# Altium PCB MCU023_MSP-EXP432E401Y.PcbDoc (part 1 of 4)
Units mil, origin at the board's own origin, x right, y up, seen from the top; angles counter-clockwise.
Board outline 2500 x 6850 mil, 4 copper layers (Top Layer, VCC Layer, GND Layer, Bottom Layer), stack 62.434 mil thick; 203 components, 183 nets, 939 pads, 602 vias.
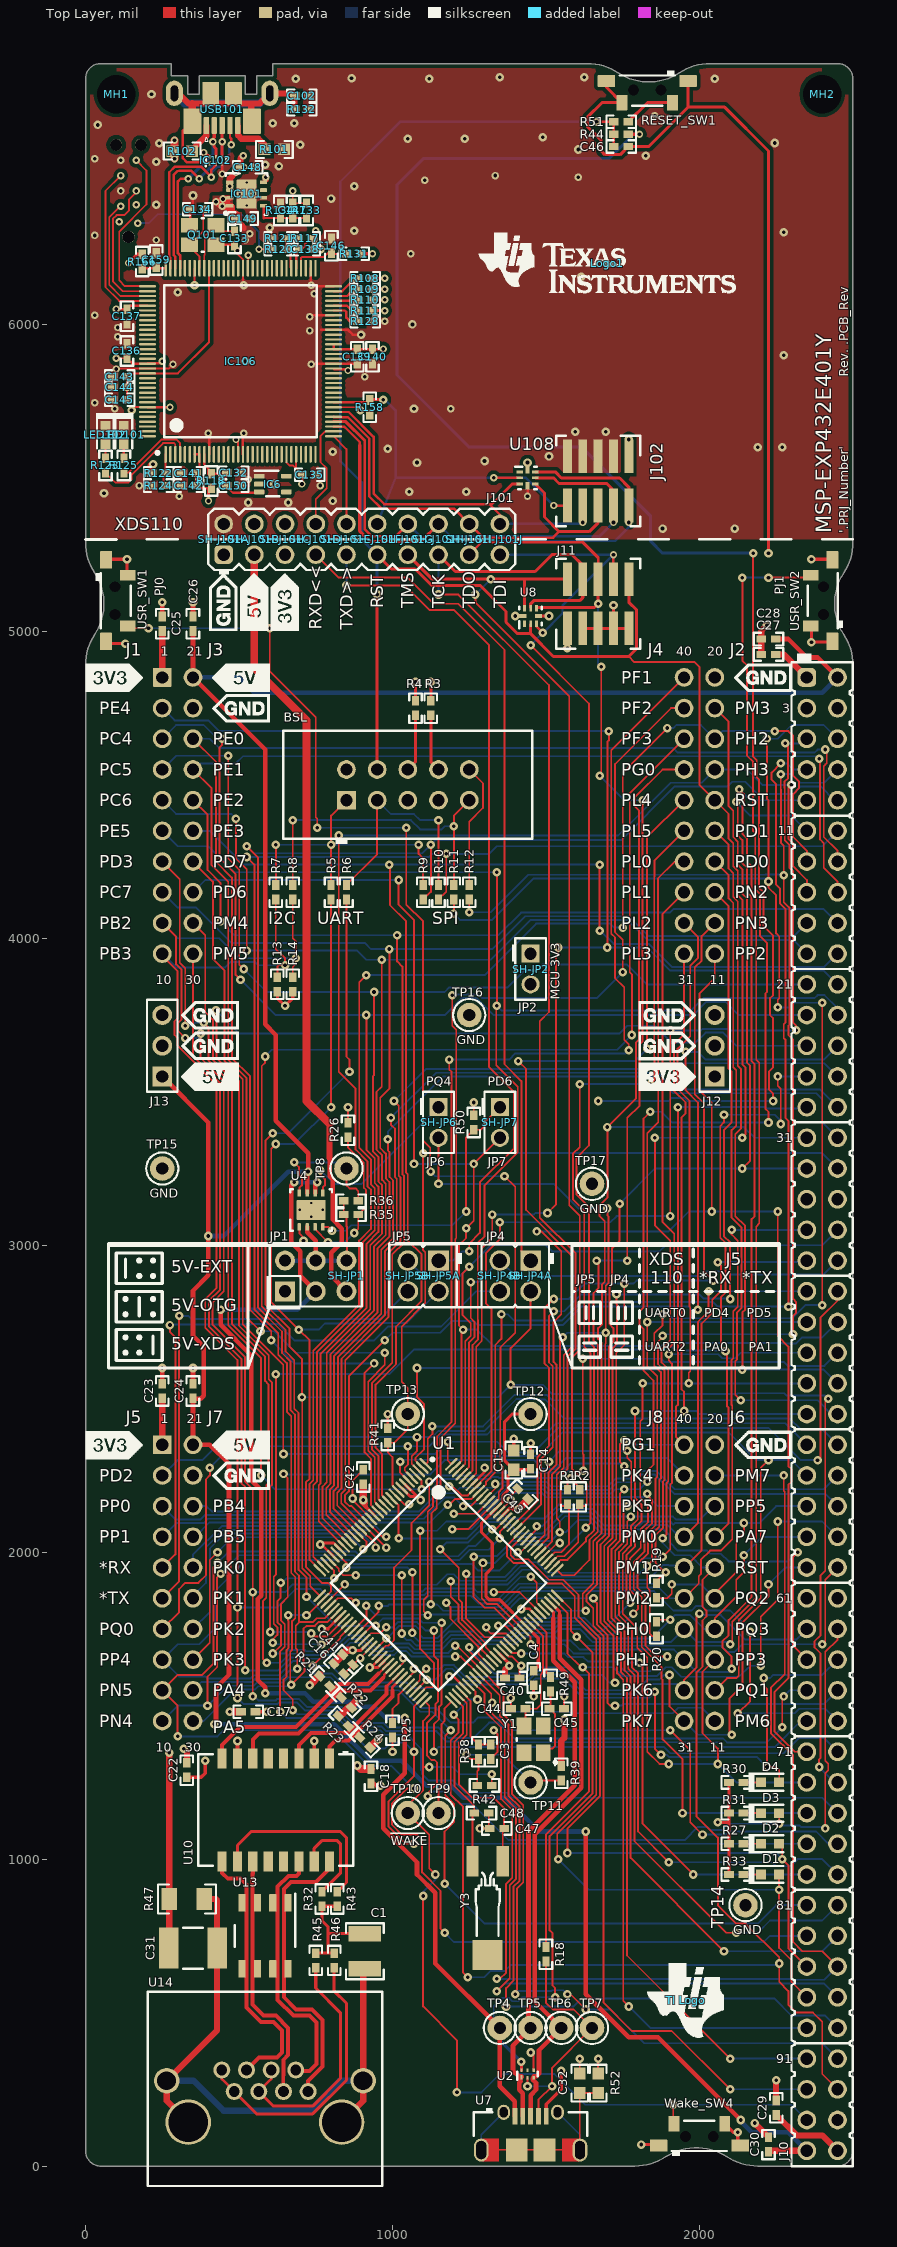
[diagram p0: Top Layer view]
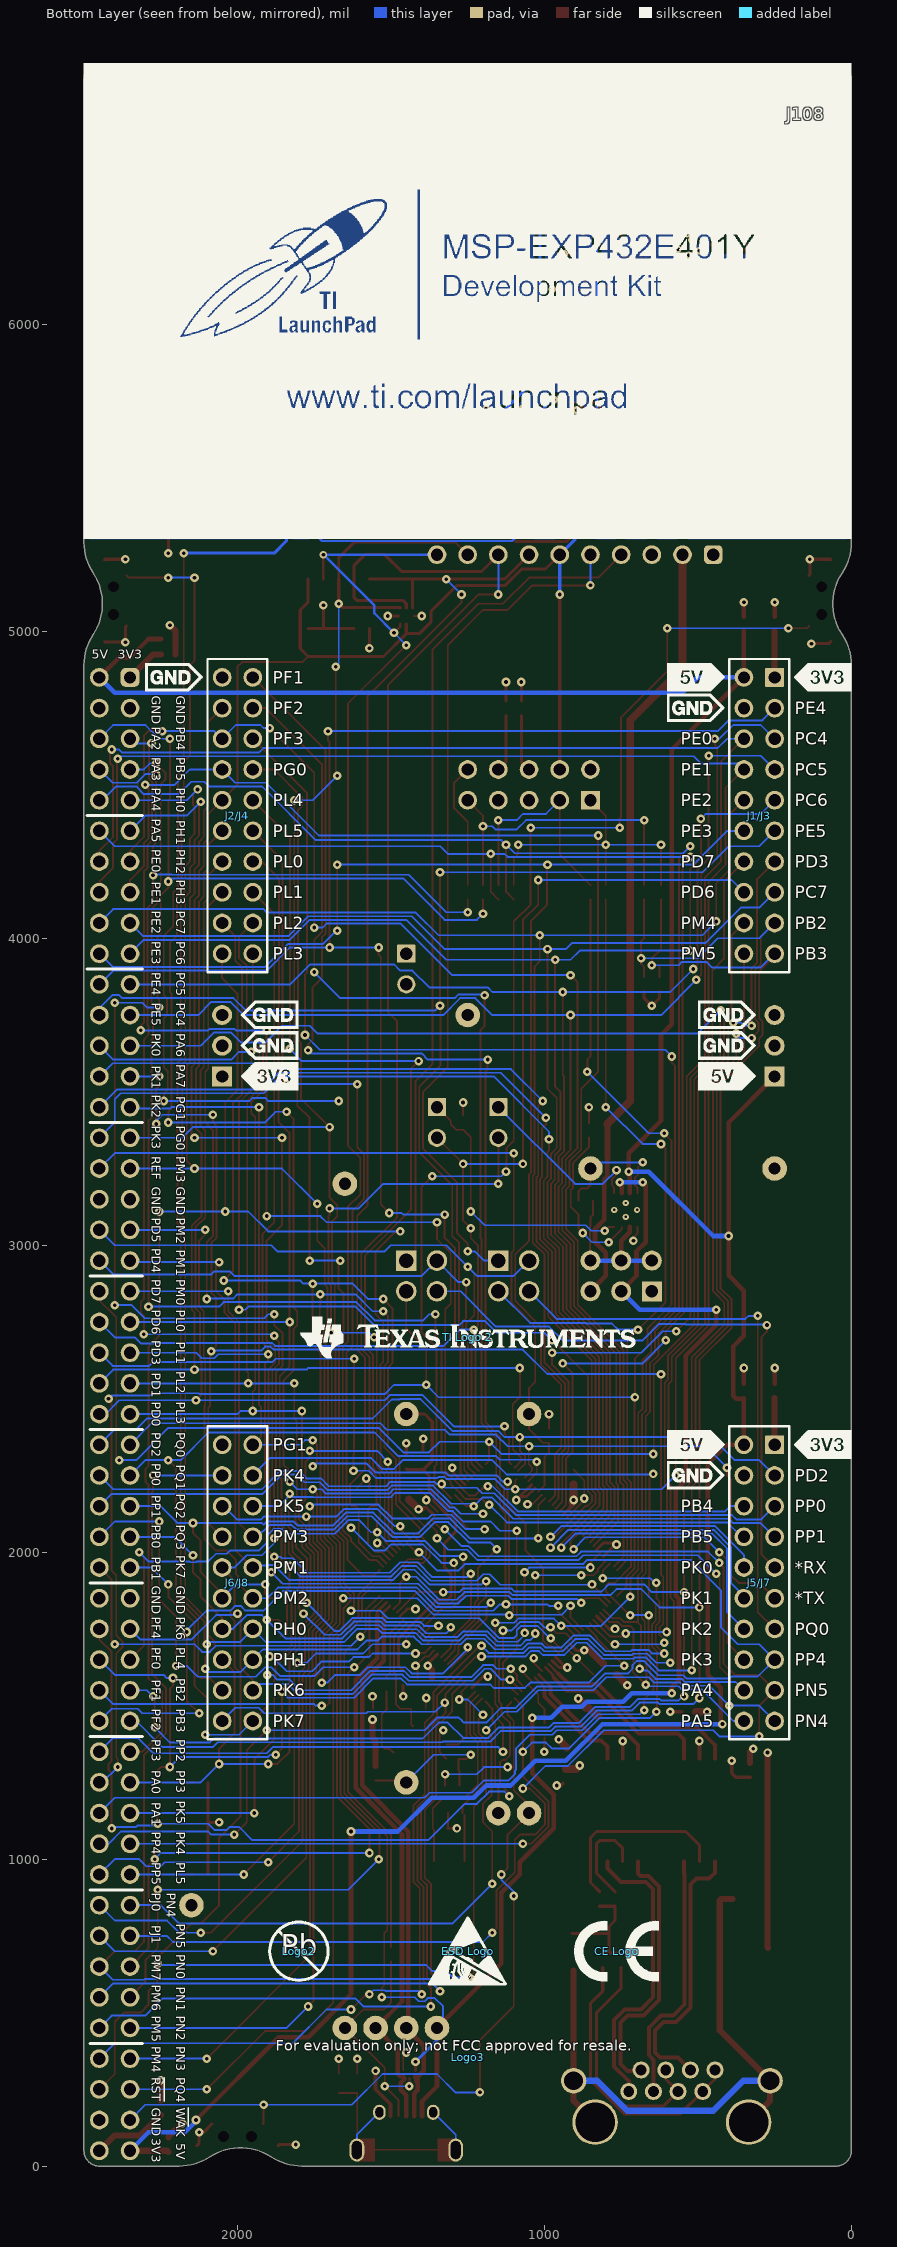
[diagram p1: Bottom Layer view, seen from below]
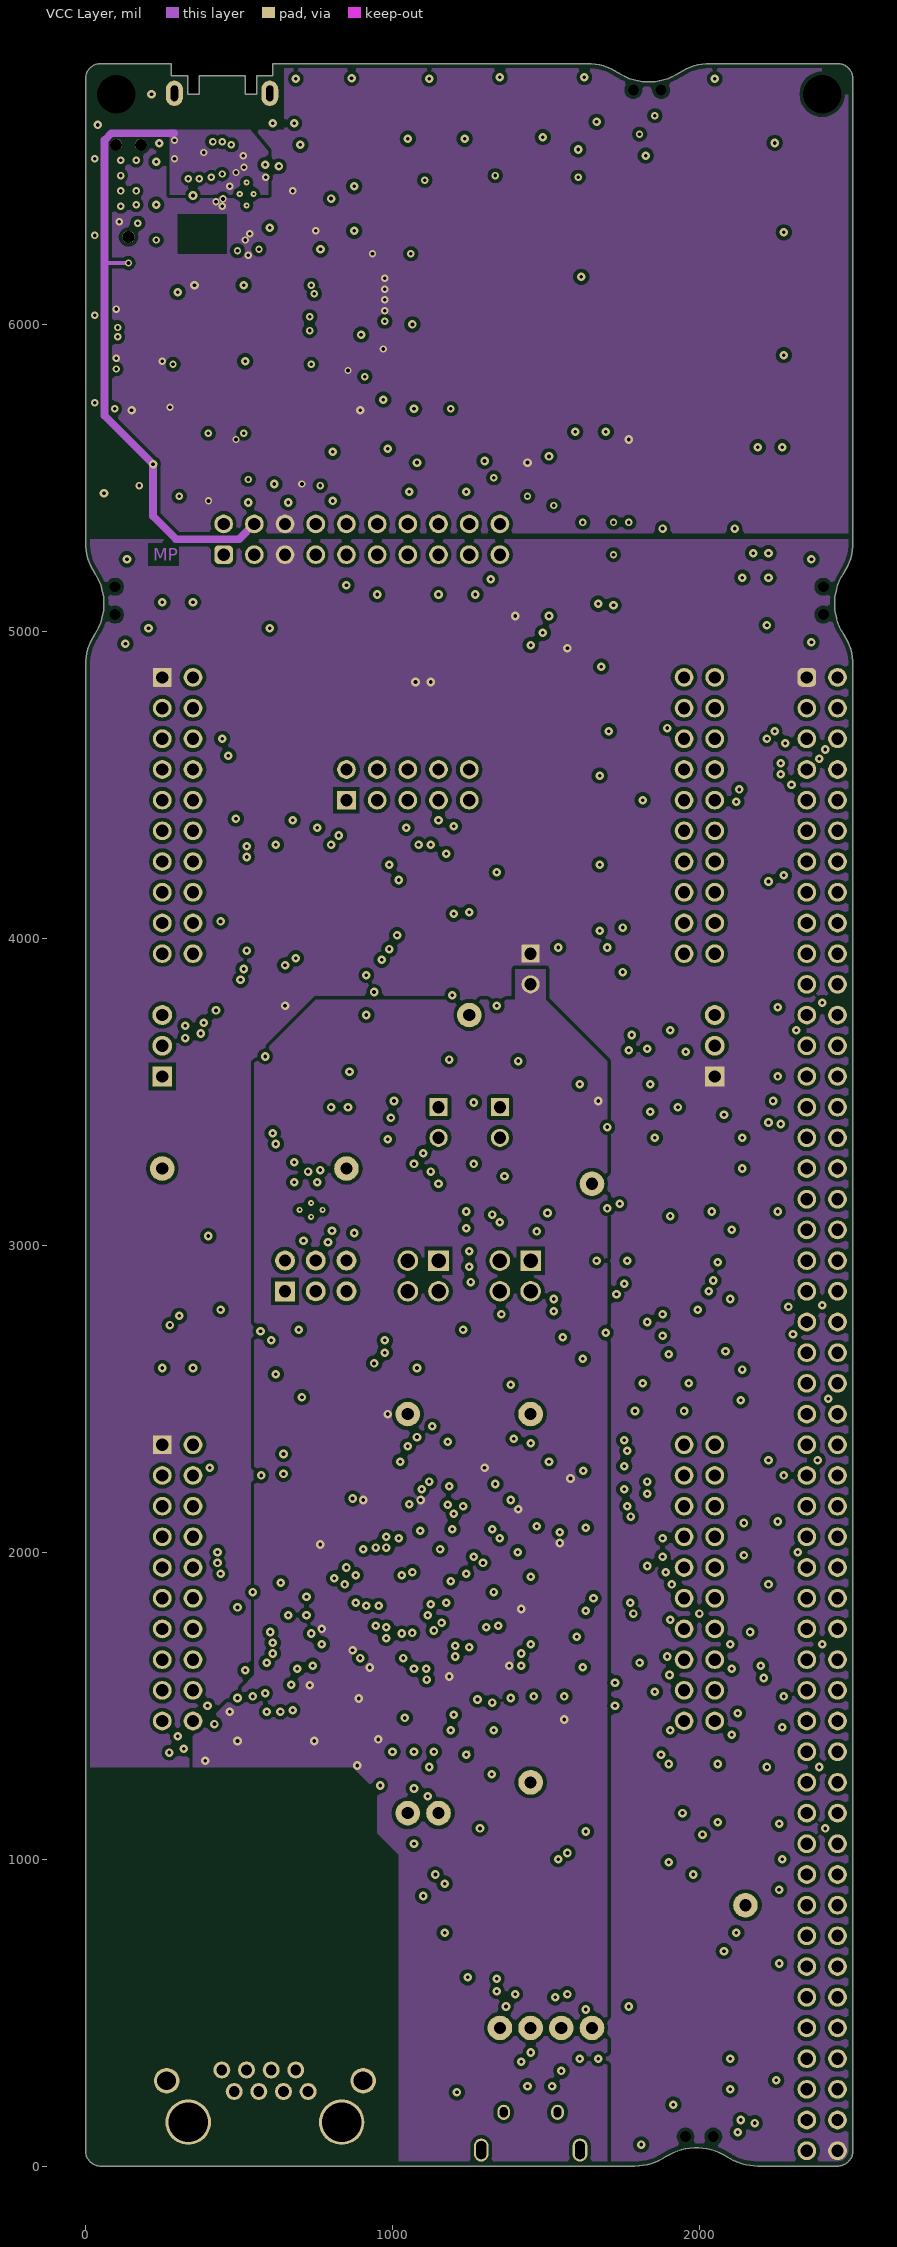
[diagram p2: VCC Layer]
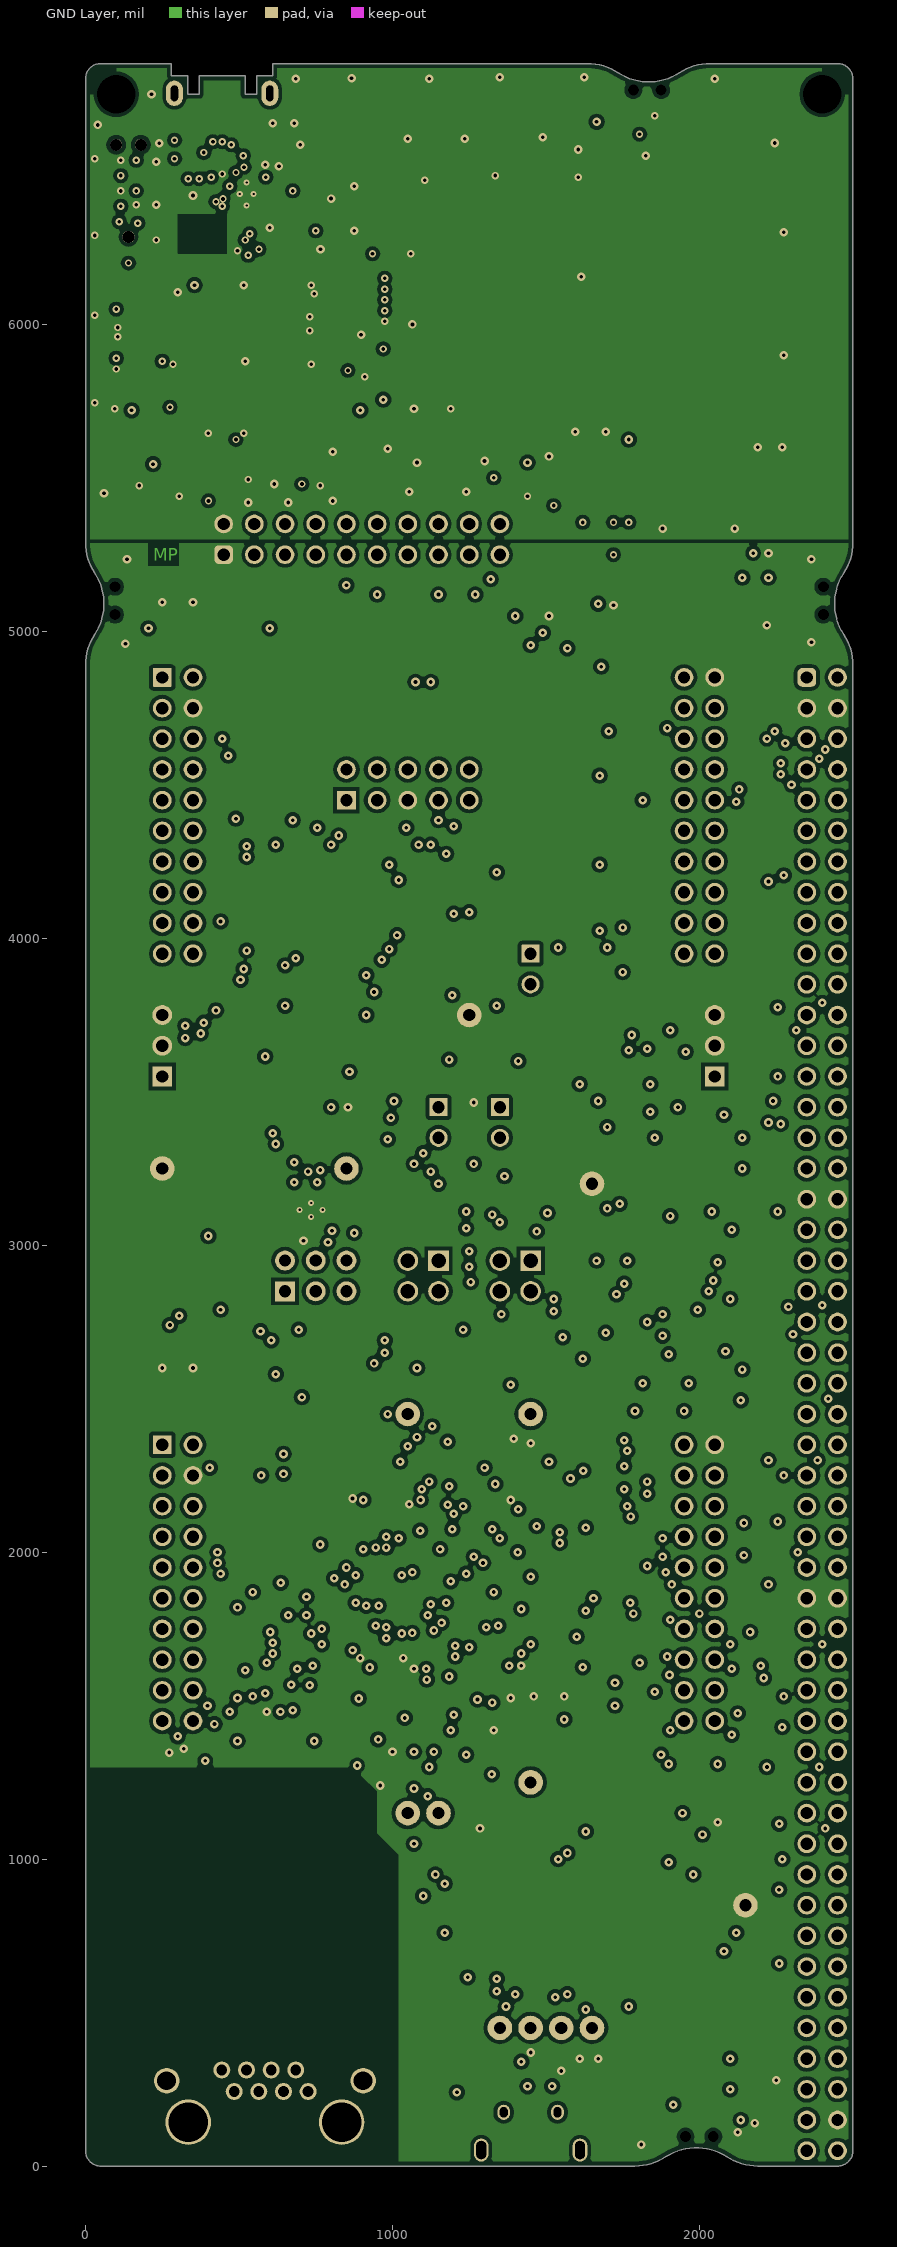
[diagram p3: GND Layer]
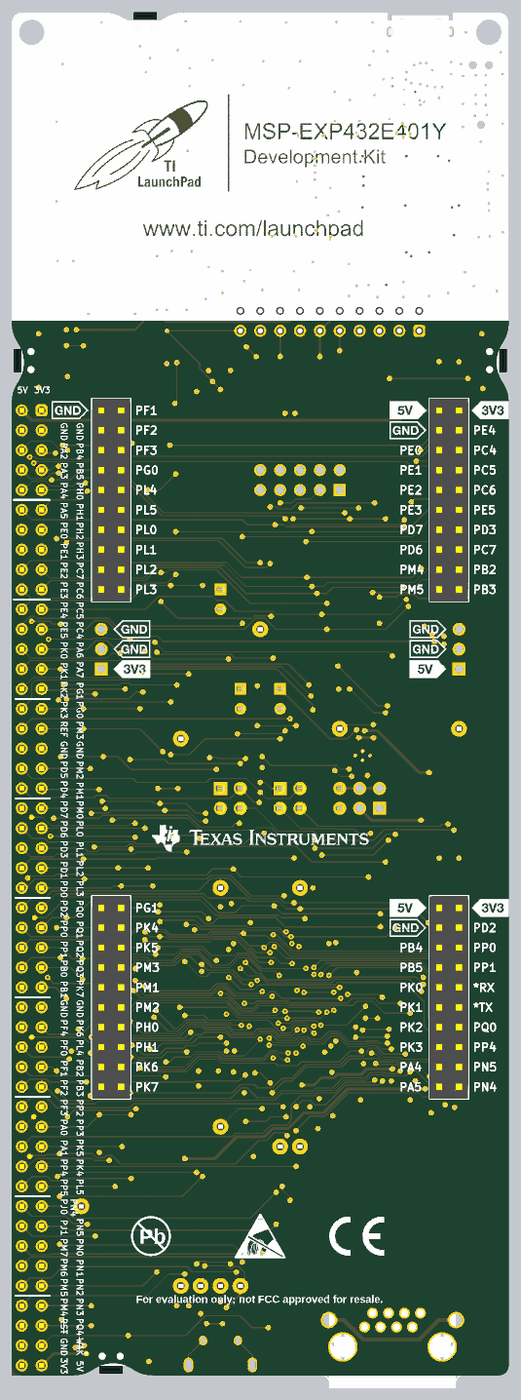
[diagram p7: 3D render of the assembled board from below, using the file's embedded part models]

## Layer stack, top to bottom
Top Solder: solder mask 0.4, Solder Resist, Dk 3.5
Top Layer: signal copper 1.4
Dielectric 2: core 8.4, Dk 4.2
VCC Layer: signal copper 1.417
Dielectric1: prepreg 40, FR-4, Dk 4.2
GND Layer: signal copper 1.417
Dielectric 3: core 8.4, Dk 4.2
Bottom Layer: signal copper 1.4
Bottom Solder: solder mask 0.4, Solder Resist, Dk 3.5

## Board outline
0,4890 cw(c181.67,4890) 30,4990 ccw(c-121.67,5090) 30,5190 cw(c181.67,5290) 0,5290 0,6800 cw(c50,6800) 50,6850 280,6850 280,6810 333,6810 333,6750 370,6750 370,6810 520,6810 520,6750 557,6750 557,6810 610,6810 610,6850 1635,6850 cw(c1635,6668.33) 1735,6820 ccw(c1835,6971.67) 1935,6820 cw(c2035,6668.33) 2035,6850 2450,6850 cw(c2450,6800) 2500,6800 2500,5290 cw(c2318.33,5290) 2470,5190 ccw(c2621.67,5090) 2470,4990 cw(c2318.33,4890) 2500,4890 2500,50 cw(c2450,50) 2450,0 2190,0 cw(c2190,181.67) 2090,30 ccw(c1990,-121.67) 1890,30 cw(c1790,181.67) 1790,0 50,0 cw(c50,50) 0,50

## Design rules (kind name [scope] priority, off if disabled: settings)
AcuteAngle [All] p1: minimum=4.50000000000000E+0001 checktracksonly=FALSE
AssemblyTestPointUsage [All] p1: valid=2
BoardOutlineClearance BoardOutlineClearance_MountingHoles [OnCopper and InComponentClass('Mounting Holes')] p1: gap=15
BoardOutlineClearance BoardOutlineClearance_Poly [OnCopper and IsPoly] p2: gap=15
BoardOutlineClearance [OnCopper and Not InComponentClass('Logo') and not InComponentClass('FiducialMark') and not InRegion(1000,500,4000,800) and not InPoly] p3: gap=0
Clearance Clearance_Keepouts [((IsTrack Or IsArc) And Not InPoly) And IsFree and IsKeepOut vs ((IsTrack Or IsArc) And Not InPoly) And IsFree and IsKeepOut] p1: gap=0
Clearance Clearance_Poly [InPolygon] p2: gap=12
Clearance [All] p3: gap=6
ComponentClearance ComponentClearance_MountingHoles_FiducialMarks [InComponentClass('Mounting Holes') vs InComponentClass('FiducialMark')] p1: gap=50 collisioncheckmode=3 verticalgap=10 showdistances=FALSE
ComponentClearance ComponentClearance_Shunt [InComponentClass('Header') vs InComponentClass('Shunt')] p2: gap=0 collisioncheckmode=3 verticalgap=0 showdistances=FALSE
ComponentClearance ComponentClearance_Logo [InComponentClass('Logo')] p3: gap=0 collisioncheckmode=3 verticalgap=10 showdistances=FALSE
ComponentClearance ComponentClearance_ScrewToNut [(HasFootprint('NY PMS 440 0025 PH')) vs (HasFootprint('Keystone_1902C'))] p4: gap=5 collisioncheckmode=3 verticalgap=10 showdistances=FALSE
ComponentClearance ComponentClearance_MountingHoles [InComponentClass('Mounting Holes')] p5: gap=0 collisioncheckmode=3 verticalgap=100000 showdistances=FALSE
ComponentClearance ComponentClearance_SmallPassives [HasFootprint('0201*') or HasFootprint('0402*') or HasFootprint('0508') or HasFootprint('0603*') or HasFootprint('0612') or HasFootprint('0805*') or HasFootprint('0815*') or HasFootprint('0830*') or HasFootprint('1206*') or HasFootprint('1210*') or HasFootprint('1808*') or HasFootprint('1812*') or HasFootprint('1825*') or HasFootprint('2010*') or HasFootprint('2220*') or HasFootprint('2225*') or HasFootprint('2512*') or HasFootprint('2728*') or HasFootprint('3518*') vs HasFootprint('0201*') or HasFootprint('0402*') or HasFootprint('0508') or HasFootprint('0603*') or HasFootprint('0612') or HasFootprint('0805*') or HasFootprint('0815*') or HasFootprint('0830*') or HasFootprint('1206*') or HasFootprint('1210*') or HasFootprint('1808*') or HasFootprint('1812*') or HasFootprint('1825*') or HasFootprint('2010*') or HasFootprint('2220*') or HasFootprint('2225*') or HasFootprint('2512*') or HasFootprint('2728*') or HasFootprint('3518*')] p6: gap=0 collisioncheckmode=3 verticalgap=0 showdistances=FALSE
ComponentClearance ComponentClearance_THtoSMT [IsThruComponent vs IsSMTComponent] p7: gap=0 collisioncheckmode=3 verticalgap=0 showdistances=FALSE
ComponentClearance ComponentClearance_THtoTH [IsThruComponent vs IsThruComponent] p8: gap=0 collisioncheckmode=3 verticalgap=0 showdistances=FALSE
ComponentClearance [All] p9: gap=0 collisioncheckmode=3 verticalgap=0 showdistances=FALSE
DiffPairsRouting DiffPairsRouting_USB [InDifferentialPair('USBD')] p1: maxlimit=10 minlimit=6 mostfreqgap=6 toplayer_minwidth=6 toplayer_maxwidth=15 toplayer_prefwidth=15 midlayer1_minwidth=6 midlayer1_maxwidth=15 midlayer1_prefwidth=15 midlayer2_minwidth=6 midlayer2_maxwidth=15 midlayer2_prefwidth=15 bottomlayer_minwidth=6 bottomlayer_maxwidth=15 bottomlayer_prefwidth=15 maxuncoupledlength=500
DiffPairsRouting DiffPairsRouting_Ethernet [InDifferentialPair('EN0RXI') Or InDifferentialPair('EN0TXO') or InDifferentialPair('EPHYRX') or InDifferentialPair('EPHYTX')] p2: maxlimit=10 minlimit=6 mostfreqgap=7 toplayer_minwidth=8 toplayer_maxwidth=13 toplayer_prefwidth=13 midlayer1_minwidth=8 midlayer1_maxwidth=13 midlayer1_prefwidth=13 midlayer2_minwidth=8 midlayer2_maxwidth=13 midlayer2_prefwidth=13 bottomlayer_minwidth=8 bottomlayer_maxwidth=13 bottomlayer_prefwidth=13 maxuncoupledlength=500
DiffPairsRouting [All] p3: maxlimit=100 minlimit=10 mostfreqgap=10 toplayer_minwidth=15 toplayer_maxwidth=15 toplayer_prefwidth=15 midlayer1_minwidth=15 midlayer1_maxwidth=15 midlayer1_prefwidth=15 midlayer2_minwidth=15 midlayer2_maxwidth=15 midlayer2_prefwidth=15 bottomlayer_minwidth=15 bottomlayer_maxwidth=15 bottomlayer_prefwidth=15 maxuncoupledlength=1000
FabricationTestPointUsage TestPointUsage [All] p1: valid=2 allowmultiple=FALSE
FabricationTestpoint Testpoint [All] p1: side=3 testpointundercomponent=TRUE minsize=40 maxsize=100 preferedsize=60 minholesize=0 maxholesize=40 preferedholesize=32 testpointgrid=1 allowsidetop=TRUE allowsidebottom=TRUE usegrid=TRUE gridtolerance=0.01
FanoutControl Fanout_LCC [IsLCC] p1: bgadir=Out bgaviamode=Centered fanoutstyle=Auto fanoutdirection=Alternating viagrid=1 // Fanout_LCC (Default Rule)
FanoutControl Fanout_BGA [IsBGA] p2: bgadir=Out bgaviamode=Centered fanoutstyle=Auto fanoutdirection=Alternating viagrid=1 // Fanout_BGA (Default Rule)
FanoutControl Fanout_Default [All] p4: bgadir=Out bgaviamode=Centered fanoutstyle=Auto fanoutdirection=Alternating viagrid=1 // Fanout_Default (Default Rule)
FanoutControl Fanout_Small [(CompPinCount < 5)] p5: bgadir=Out bgaviamode=Centered fanoutstyle=Auto fanoutdirection=OutThenIn viagrid=1 // Fanout_Small (Default Rule)
HoleSize [All] p1: absolutevalues=TRUE maxlimit=251 minlimit=7.87 maxpercent=80.000 minpercent=20.000
MinimumAnnularRing MinimumAnnularRing_ThermalPadVias [IsVia and InAnyComponent] p1: minimumring=5.91
MinimumAnnularRing [All] p2: minimumring=6
MinimumSolderMaskSliver MinimumSolderMaskSliver_Logo [InComponentClass('Logo') vs InComponentClass('Logo')] p1: minsoldermaskwidth=0.7
MinimumSolderMaskSliver [All] p2: minsoldermaskwidth=3.94
PlaneClearance [All] p1: clearance=10
PlaneConnect [All] p1: planeconnectstyle=Relief reliefexpansion=10 reliefentries=4 reliefconductorwidth=10 reliefairgap=10
PolygonConnect [All] p1: connectstyle=Direct reliefconductorwidth=10 reliefentries=4 polygonreliefangle="90 Angle" airgapwidth=10
RoutingVias ThermalPadVias [IsVia and InAnyComponent] p1: holewidth=7.87 width=19.68 viastyle="Through Hole" minholewidth=7.87 minwidth=19.68 maxholewidth=16 maxwidth=30
RoutingVias [All] p2: holewidth=12 width=28 viastyle="Through Hole" minholewidth=7.87 minwidth=24 maxholewidth=40 maxwidth=65
SilkToBoardRegionClearance [Not ((IsComment or IsDesignator) And (Hide <> 'False')) and not InRegion(1000,500,4000,800)] p1:
SilkToSilkClearance SilkToSilkClearance_Pb-FreeLogo [(HasFootprint('Pb-Free_Overlay_Medium') OR HasFootprint('Pb-Free_Overlay_Small')) vs (HasFootprint('Pb-Free_Overlay_Medium') OR HasFootprint('Pb-Free_Overlay_Small'))] p1: silktosilkclearance=0
SilkToSilkClearance [All] p2: silktosilkclearance=0
SilkToSolderMaskClearance SilkToComponentPadClearance [(IsPad or IsFill or IsRegion) and InAnycomponent] p1 off: minsilkscreentomaskgap=5 clearancetoexposedcopper=TRUE
SolderMaskExpansion SolderMaskExpansion_via [isvia] p1: expansion=-17
SolderMaskExpansion [All] p2: expansion=1.97
Width [All] p1: maxlimit=100 minlimit=6 preferedwidth=10 checkconnectedcopper=TRUE
14 further rules are at their usual default settings.

## Classes and differential pairs
component class XDS_interface: J11 J101 J102 R158 U8 U108
component class XDS110_debug_probe: C132 C133 C134 C135 C136 C137 C138 C139 C140 C141 C142 C143 C144 C145 C146 C150 C159 IC6 IC106 J108 LED101 LED102 Q101 R108 R109 R110 R111 R117 R118 R120 R121 R123 R125 R128 R131 R166
component class USB_power: C102 C147 C148 C149 IC101 IC102 R101 R102 R122 R124 R132 R133 R134 USB101
component class Logo: Logo1 "TI Logo" "TI Logo 2"
component class XDS110_template_EVM_Hardware: "CE Logo" "ESD Logo" Logo1 Logo2 Logo3 MH1 MH2 SH-J101A SH-J101B SH-J101C SH-J101D SH-J101E SH-J101F SH-J101G SH-J101H SH-J101I SH-J101J SH-JP1 SH-JP2 SH-JP4A SH-JP4B SH-JP5A SH-JP5B SH-JP6 SH-JP7 "TI Logo" "TI Logo 2" ZZ2 ZZ3 ZZ4 ZZ5
component class Header: J10 J12 J13 J101 JP1 JP2 JP4 JP5 JP6 JP7
component class MSP432E_LP_Ethernet_Power: C1 C3 C4 C14 C15 C16 C17 C18 C22 C31 C40 C41 C42 C43 C44 C45 C46 C47 C48 D3 D4 J12 J13 JP1 JP2 JP6 JP7 R21 R22 R23 R24 R25 R26 R30 R31 R32 R35 R36 R38 R39 R41 R42 R43 R44 R45 R46 R47 R49 R50 R51 RESET_SW1 TP8 TP9 TP10 TP11 TP12 TP13 U4 U10 U13 U14 Wake_SW4 Y1 Y3
component class MSP432E_LP_GPIO_USB: BSL C23 C24 C25 C26 C27 C28 C29 C30 C32 D1 D2 J1/J3 J2/J4 J5/J7 J6/J8 J10 JP4 JP5 R1 R2 R3 R4 R5 R6 R7 R8 R9 R10 R11 R12 R13 R14 R18 R19 R20 R27 R33 R52 TP4 TP5 TP6 TP7 TP14 TP15 TP16 TP17 U1 U2 U7 USR_SW1 USR_SW2
component class Shunt: SH-J101A SH-J101B SH-J101C SH-J101D SH-J101E SH-J101F SH-J101G SH-J101H SH-J101I SH-J101J SH-JP1 SH-JP2 SH-JP4A SH-JP4B SH-JP5A SH-JP5B SH-JP6 SH-JP7
component class AssemblyNote: ZZ2 ZZ3 ZZ4 ZZ5
differential pair USBD: +USBD_P -USBD_N
differential pair EPHYTX: +EPHYRX_P -EPHYRX_N
differential pair EPHYRX: +EPHYTX_P -EPHYTX_N
differential pair EN0TXO: +EN0TXO_P -EN0TXO_N
differential pair EN0RXI: +EN0RXI_P -EN0RXI_N

## Components (designator, comment, footprint, x,y, rotation, side; value= is the part's Value field where it differs from the comment)